# KiCad board chocofly_roundtracks_filledzones.kicad_pcb
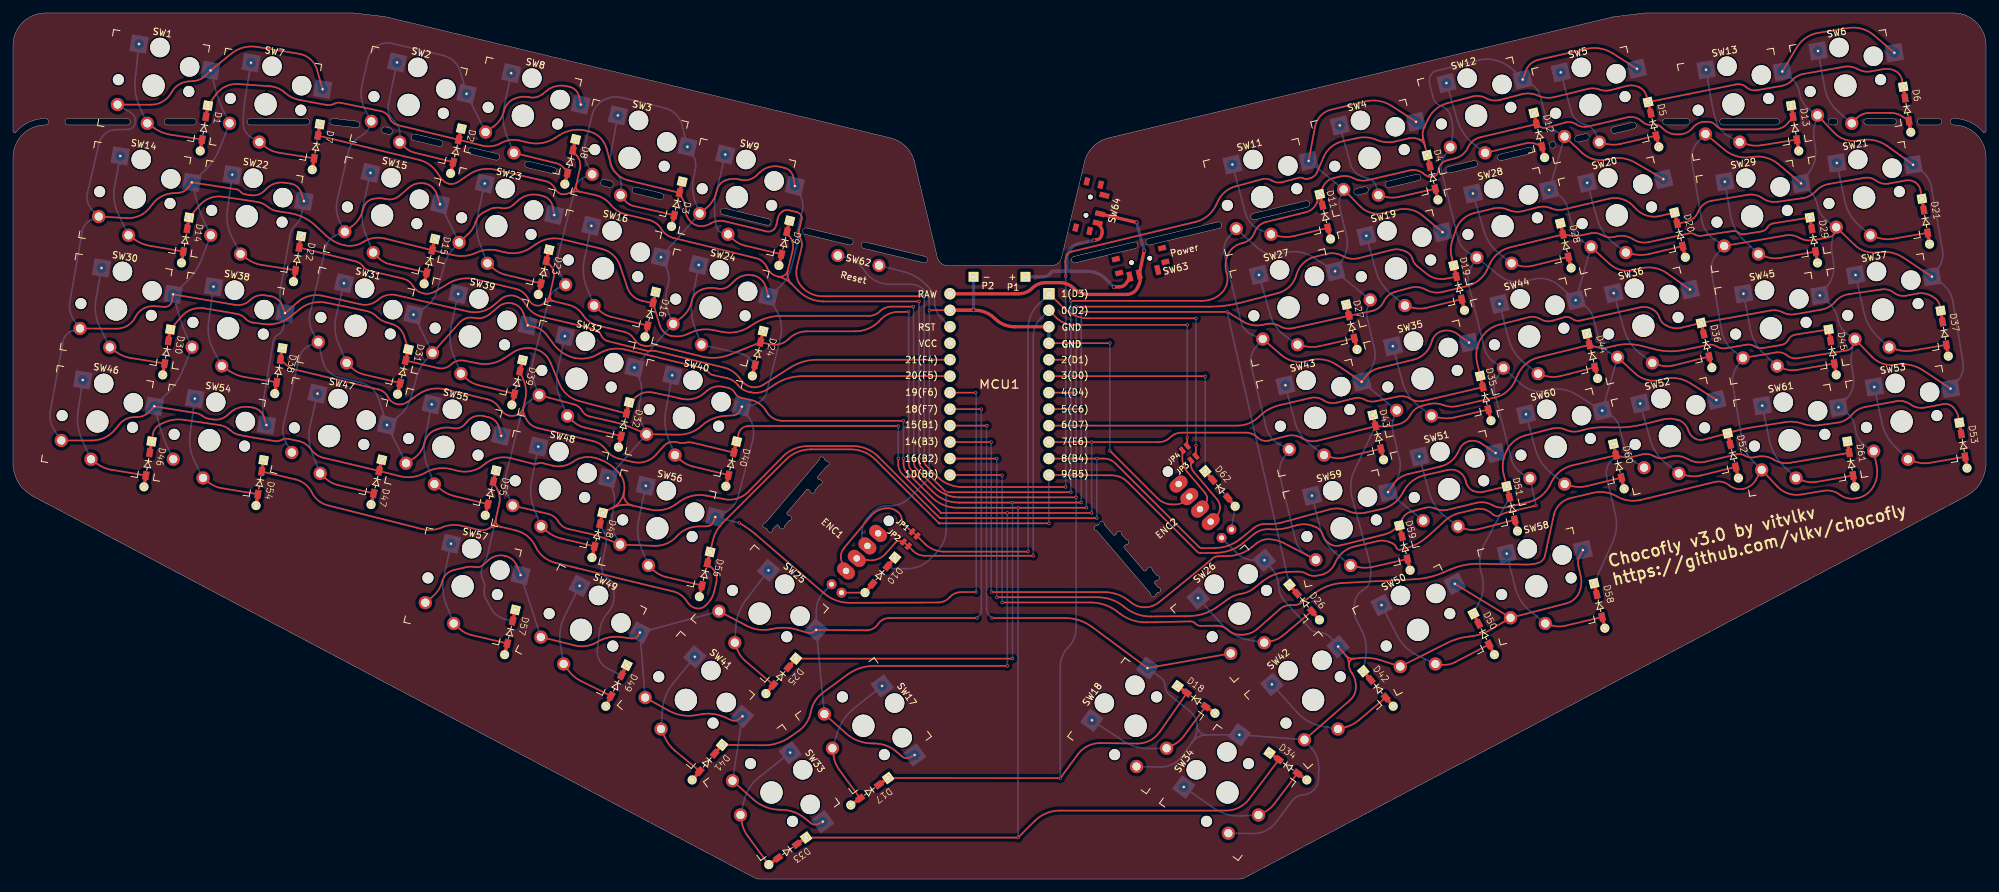
[diagram p0: board, top side]
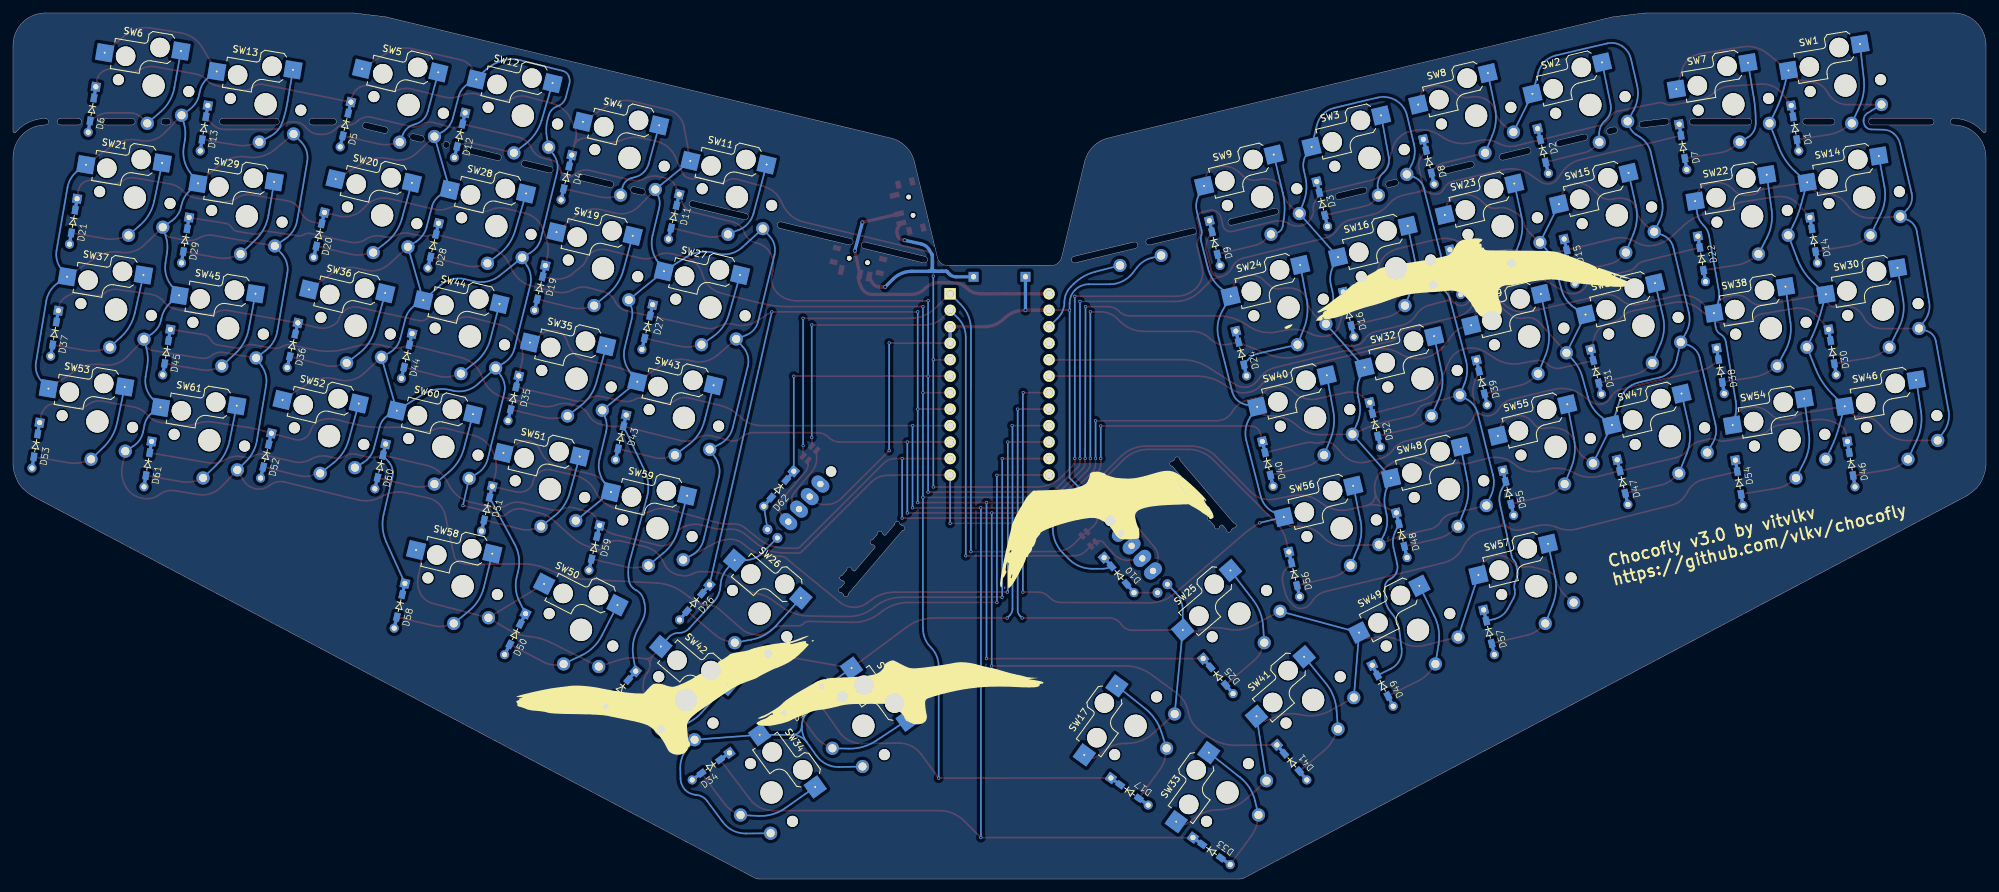
[diagram p1: board, bottom side, seen from below]

Outline 304 x 133.5 mm; copper layers: Top, Bottom. Coordinates in mm from the lower left corner of the outline.
Outline path: 0,128.5 arc(1.46,132.04) 5,133.5 52.46,133.5 57.39,132.92 134.7,114.36 135.13,114.25 arc(137.6,112.89) 138.93,110.4 138.98,110.2 142.43,95.81 arc(142.99,94.93) 143.97,94.57 160.03,94.57 arc(161.01,94.93) 161.57,95.81 165.02,110.2 165.07,110.4 arc(166.4,112.89) 168.87,114.25 169.31,114.36 246.61,132.92 251.54,133.5 299,133.5 arc(302.54,132.04) 304,128.5 ; 0,128.5 0,115.29 arc(0.12,115.08) 0.37,115.07 0.41,115.1 arc(2.47,116.68) 5,117.24 arc(5.5,116.74) 5,116.24 arc(1.47,114.78) 0,111.24 0,63.75 0.12,62.93 0.35,62.16 0.67,61.4 1.02,60.79 1.47,60.25 2.16,59.63 2.93,59.08 114.38,0.12 arc(114.71,0.02) 115.05,0 188.95,0 arc(189.29,0.02) 189.62,0.12 301.07,59.08 301.84,59.63 302.53,60.25 302.98,60.79 303.34,61.4 303.65,62.16 303.88,62.93 304,63.75 304,111.24 arc(302.54,114.78) 299,116.24 arc(298.5,116.74) 299,117.24 arc(301.53,116.68) 303.59,115.1 303.63,115.07 arc(303.88,115.08) 304,115.29 304,128.5 ; 122.03,99.39 arc(121.66,99.99) 122.26,100.36 129.07,98.72 arc(129.44,98.12) 128.83,97.75 ; 128.83,97.75 122.03,99.39 ; 271.68,116.24 263.47,116.24 arc(262.97,116.74) 263.47,117.24 271.68,117.24 arc(272.18,116.74) 271.68,116.24 ; 8.5,117.24 17.59,117.24 arc(18.09,116.74) 17.59,116.24 8.5,116.24 arc(8,116.74) 8.5,117.24 ; 23.79,117.24 27.74,117.24 arc(28.24,116.74) 27.74,116.24 23.79,116.24 arc(23.29,116.74) 23.79,117.24 ; 36.57,117.24 45.19,117.24 arc(45.69,116.74) 45.19,116.24 36.57,116.24 arc(36.07,116.74) 36.57,117.24 ; 49.32,117.24 49.44,117.23 53.01,116.81 arc(53.45,116.26) 52.9,115.82 49.32,116.24 arc(48.82,116.74) 49.32,117.24 ; 57.17,114.96 arc(56.8,115.56) 57.4,115.93 58.08,115.77 arc(58.45,115.16) 57.85,114.79 57.17,114.96 ; 61.74,113.86 arc(61.37,114.46) 61.97,114.83 65.86,113.9 arc(66.23,113.3) 65.63,112.93 61.74,113.86 ; 70.49,111.76 arc(70.12,112.36) 70.72,112.73 74.61,111.8 arc(74.98,111.19) 74.38,110.82 70.49,111.76 ; 79.24,109.66 arc(78.87,110.26) 79.48,110.63 83.36,109.7 arc(83.73,109.09) 83.13,108.72 79.24,109.66 ; 90.91,106.86 arc(90.54,107.46) 91.14,107.83 92.12,107.6 arc(92.49,106.99) 91.88,106.62 90.91,106.86 ; 95.77,105.69 arc(95.4,106.29) 96.01,106.66 99.89,105.73 arc(100.26,105.12) 99.66,104.75 95.77,105.69 ; 109.38,102.42 arc(109.02,103.02) 109.62,103.39 116.43,101.76 arc(116.79,101.16) 116.19,100.79 109.39,102.42 ; 131.07,97.21 arc(130.7,97.82) 131.3,98.19 140.54,95.97 arc(140.91,95.37) 140.31,95 131.07,97.21 ; 163.7,95 arc(163.09,95.37) 163.46,95.97 172.7,98.19 arc(173.3,97.82) 172.93,97.21 163.7,95 ; 174.94,98.72 185.63,101.29 arc(186.24,100.92) 185.87,100.32 175.17,97.75 arc(174.57,98.12) 174.94,98.72 ; 191.1,102.6 199.19,104.55 arc(199.79,104.18) 199.42,103.57 191.33,101.63 arc(190.73,102) 191.1,102.6 ; 206.96,106.41 208.23,106.72 arc(208.83,106.35) 208.46,105.74 207.2,105.44 arc(206.59,105.81) 206.96,106.41 ; 212.06,106.61 arc(211.46,106.98) 211.83,107.58 216.3,108.66 arc(216.9,108.29) 216.53,107.68 212.06,106.61 ; 221.39,108.85 arc(220.79,109.22) 221.16,109.82 225.05,110.76 arc(225.65,110.39) 225.28,109.78 221.39,108.85 ; 229.37,110.76 233.74,111.81 arc(234.11,112.42) 233.51,112.79 229.13,111.74 arc(228.76,111.13) 229.37,110.76 ; 237.11,113.65 arc(237.71,113.28) 237.34,112.68 arc(236.74,113.05) 237.11,113.65 ; 241,114.58 242.26,114.89 arc(242.86,114.52) 242.49,113.92 241.23,113.61 arc(240.63,113.98) 241,114.58 ; 246.83,114.96 arc(246.23,115.33) 246.6,115.93 249.52,116.63 arc(250.12,116.26) 249.75,115.66 246.83,114.96 ; 254.68,117.24 257.89,117.24 arc(258.39,116.74) 257.89,116.24 254.68,116.24 arc(254.18,116.74) 254.68,117.24 ; 280.18,116.24 arc(279.68,116.74) 280.18,117.24 280.68,117.24 arc(281.18,116.74) 280.68,116.24 280.18,116.24 ; 285.68,117.24 289.68,117.24 arc(290.18,116.74) 289.68,116.24 285.68,116.24 arc(285.18,116.74) 285.68,117.24 ; 293.93,116.24 arc(293.43,116.74) 293.93,117.24 296.68,117.24 arc(297.18,116.74) 296.68,116.24 293.93,116.24

## Placement (name value [footprint] x y rotation side)
D1  1N4148  [diode_TH_SMD]  28.85 112.24 260.5 top
D2  1N4148  [diode_TH_SMD]  67.43 108.77 256.5 top
D3  1N4148  [diode_TH_SMD]  101.46 100.6 256.5 top
D4  1N4148  [diode_TH_SMD]  219.56 104.69 283.5 top
D5  1N4148  [diode_TH_SMD]  253.59 112.86 283.5 top
D6  1N4148  [diode_TH_SMD]  292.41 115.12 279.5 top
D7  1N4148  [diode_TH_SMD]  46.11 109.35 260.5 top
D8  1N4148  [diode_TH_SMD]  85.03 107.12 256.5 top
D9  1N4148  [diode_TH_SMD]  118.01 94.57 256.5 top
D10  1N4148  [diode_TH_SMD]  131.28 44.15 229.5 top
D11  1N4148  [diode_TH_SMD]  203.01 98.66 283.5 top
D12  1N4148  [diode_TH_SMD]  235.99 111.2 283.5 top
D13  1N4148  [diode_TH_SMD]  275.15 112.24 279.5 top
D14  1N4148  [diode_TH_SMD]  25.96 94.98 260.5 top
D15  1N4148  [diode_TH_SMD]  63.34 91.76 256.5 top
D16  1N4148  [diode_TH_SMD]  97.38 83.59 256.5 top
D17  1N4148  [diode_TH_SMD]  129.09 11.4 216 top
D18  1N4148  [diode_TH_SMD]  185.2 25.56 324 top
D19  1N4148  [diode_TH_SMD]  223.64 87.67 283.5 top
D20  1N4148  [diode_TH_SMD]  257.68 95.84 283.5 top
D21  1N4148  [diode_TH_SMD]  295.3 97.86 279.5 top
D22  1N4148  [diode_TH_SMD]  43.22 92.09 260.5 top
D23  1N4148  [diode_TH_SMD]  80.94 90.1 256.5 top
D24  1N4148  [diode_TH_SMD]  113.93 77.56 256.5 top
D25  1N4148  [diode_TH_SMD]  116.01 28.58 229.5 top
D26  1N4148  [diode_TH_SMD]  201.29 39.95 310.5 top
D27  1N4148  [diode_TH_SMD]  207.09 81.64 283.5 top
D28  1N4148  [diode_TH_SMD]  240.08 94.19 283.5 top
D29  1N4148  [diode_TH_SMD]  278.04 94.98 279.5 top
D30  1N4148  [diode_TH_SMD]  23.07 77.72 260.5 top
D31  1N4148  [diode_TH_SMD]  59.26 74.74 256.5 top
D32  1N4148  [diode_TH_SMD]  93.29 66.57 256.5 top
D33  1N4148  [diode_TH_SMD]  116.45 2.22 216 top
D34  1N4148  [diode_TH_SMD]  199.35 15.27 324 top
D35  1N4148  [diode_TH_SMD]  227.73 70.65 283.5 top
D36  1N4148  [diode_TH_SMD]  261.76 78.82 283.5 top
D37  1N4148  [diode_TH_SMD]  298.19 80.6 279.5 top
D38  1N4148  [diode_TH_SMD]  40.33 74.83 260.5 top
D39  1N4148  [diode_TH_SMD]  76.86 73.08 256.5 top
D40  1N4148  [diode_TH_SMD]  109.84 60.54 256.5 top
D41  1N4148  [diode_TH_SMD]  104.65 15.27 229.5 top
D42  1N4148  [diode_TH_SMD]  212.66 26.64 310.5 top
D43  1N4148  [diode_TH_SMD]  211.18 64.62 283.5 top
D44  1N4148  [diode_TH_SMD]  244.16 77.17 283.5 top
D45  1N4148  [diode_TH_SMD]  280.93 77.72 279.5 top
D46  1N4148  [diode_TH_SMD]  20.19 60.46 260.5 top
D47  1N4148  [diode_TH_SMD]  55.17 57.72 256.5 top
D48  1N4148  [diode_TH_SMD]  89.21 49.55 256.5 top
D49  1N4148  [diode_TH_SMD]  91.34 26.64 243 top
D50  1N4148  [diode_TH_SMD]  228.25 34.58 297 top
D51  1N4148  [diode_TH_SMD]  231.81 53.64 283.5 top
D52  1N4148  [diode_TH_SMD]  265.85 61.81 283.5 top
D53  1N4148  [diode_TH_SMD]  301.08 63.34 279.5 top
D54  1N4148  [diode_TH_SMD]  37.45 57.57 260.5 top
D55  1N4148  [diode_TH_SMD]  72.77 56.07 256.5 top
D56  1N4148  [diode_TH_SMD]  105.75 43.52 256.5 top
D57  1N4148  [diode_TH_SMD]  75.75 34.58 256.5 top
D58  1N4148  [diode_TH_SMD]  245.27 38.67 283.5 top
D59  1N4148  [diode_TH_SMD]  215.26 47.61 283.5 top
D60  1N4148  [diode_TH_SMD]  248.25 60.15 283.5 top
D61  1N4148  [diode_TH_SMD]  283.82 60.46 279.5 top
D62  1N4148  [diode_TH_SMD]  188.31 57.46 310.5 top
ENC1  -  [EVQWGD001]  126.25 54.03 139.5 top
ENC2  -  [EVQWGD001]  177.76 54.03 220.5 top
JP1  Jumper_NC_Small  [avalanche_Jumper_NC]  138.91 53.22 319.5 top
JP2  Jumper_NC_Small  [avalanche_Jumper_NC]  137.57 51.64 319.5 top
JP3  Jumper_NC_Small  [avalanche_Jumper]  181.88 64.86 40.5 top
JP4  Jumper_NC_Small  [avalanche_Jumper]  180.55 66.41 40.5 top
MCU1  -  [ProMicro]  152 76.23 0 top
P1  battery+  [1pin_conn]  156 92.83 0 top
P2  battery-  [1pin_conn]  148 92.83 0 top
SW1  SW_Push  [Kailh_socket_PG1350_chosfox_17_5mm]  21.67 122.31 350.5 top
SW2  SW_Push  [Kailh_socket_PG1350_chosfox_17_5mm]  60.96 119.32 346.5 top
SW3  SW_Push  [Kailh_socket_PG1350_chosfox_17_5mm]  95 111.15 346.5 top
SW4  SW_Push  [Kailh_socket_PG1350_chosfox_17_5mm]  209.01 111.15 13.5 top
SW5  SW_Push  [Kailh_socket_PG1350_chosfox_17_5mm]  243.04 119.32 13.5 top
SW6  SW_Push  [Kailh_socket_PG1350_chosfox_17_5mm]  282.34 122.31 9.5 top
SW7  SW_Push  [Kailh_socket_PG1350_chosfox_17_5mm]  38.93 119.42 350.5 top
SW8  SW_Push  [Kailh_socket_PG1350_chosfox_17_5mm]  78.56 117.67 346.5 top
SW9  SW_Push  [Kailh_socket_PG1350_chosfox_17_5mm]  111.55 105.12 346.5 top
SW11  SW_Push  [Kailh_socket_PG1350_chosfox_17_5mm]  192.46 105.12 13.5 top
SW12  SW_Push  [Kailh_socket_PG1350_chosfox_17_5mm]  225.44 117.67 13.5 top
SW13  SW_Push  [Kailh_socket_PG1350_chosfox_17_5mm]  265.08 119.42 9.5 top
SW14  SW_Push  [Kailh_socket_PG1350_chosfox_17_5mm]  18.78 105.05 350.5 top
SW15  SW_Push  [Kailh_socket_PG1350_chosfox_17_5mm]  56.88 102.31 346.5 top
SW16  SW_Push  [Kailh_socket_PG1350_chosfox_17_5mm]  90.91 94.14 346.5 top
SW17  SW_Push  [Kailh_socket_PG1350_chosfox_17_5mm]  131.03 23.62 306 top
SW18  SW_Push  [Kailh_socket_PG1350_chosfox_17_5mm]  172.97 23.62 54 top
SW19  SW_Push  [Kailh_socket_PG1350_chosfox_17_5mm]  213.09 94.14 13.5 top
SW20  SW_Push  [Kailh_socket_PG1350_chosfox_17_5mm]  247.12 102.31 13.5 top
SW21  SW_Push  [Kailh_socket_PG1350_chosfox_17_5mm]  285.23 105.05 9.5 top
SW22  SW_Push  [Kailh_socket_PG1350_chosfox_17_5mm]  36.04 102.16 350.5 top
SW23  SW_Push  [Kailh_socket_PG1350_chosfox_17_5mm]  74.48 100.65 346.5 top
SW24  SW_Push  [Kailh_socket_PG1350_chosfox_17_5mm]  107.46 88.11 346.5 top
SW25  SW_Push  [Kailh_socket_PG1350_chosfox_17_5mm]  115.04 40.92 319.5 top
SW26  SW_Push  [Kailh_socket_PG1350_chosfox_17_5mm]  188.96 40.92 40.5 top
SW27  SW_Push  [Kailh_socket_PG1350_chosfox_17_5mm]  196.54 88.11 13.5 top
SW28  SW_Push  [Kailh_socket_PG1350_chosfox_17_5mm]  229.52 100.65 13.5 top
SW29  SW_Push  [Kailh_socket_PG1350_chosfox_17_5mm]  267.97 102.16 9.5 top
SW30  SW_Push  [Kailh_socket_PG1350_chosfox_17_5mm]  15.89 87.79 350.5 top
SW31  SW_Push  [Kailh_socket_PG1350_chosfox_17_5mm]  52.79 85.29 346.5 top
SW32  SW_Push  [Kailh_socket_PG1350_chosfox_17_5mm]  86.82 77.12 346.5 top
SW33  SW_Push  [Kailh_socket_PG1350_chosfox_17_5mm]  116.87 13.34 306 top
SW34  SW_Push  [Kailh_socket_PG1350_chosfox_17_5mm]  187.13 13.34 54 top
SW35  SW_Push  [Kailh_socket_PG1350_chosfox_17_5mm]  217.18 77.12 13.5 top
SW36  SW_Push  [Kailh_socket_PG1350_chosfox_17_5mm]  251.21 85.29 13.5 top
SW37  SW_Push  [Kailh_socket_PG1350_chosfox_17_5mm]  288.11 87.79 9.5 top
SW38  SW_Push  [Kailh_socket_PG1350_chosfox_17_5mm]  33.15 84.9 350.5 top
SW39  SW_Push  [Kailh_socket_PG1350_chosfox_17_5mm]  70.39 83.64 346.5 top
SW40  SW_Push  [Kailh_socket_PG1350_chosfox_17_5mm]  103.37 71.09 346.5 top
SW41  SW_Push  [Kailh_socket_PG1350_chosfox_17_5mm]  103.68 27.61 319.5 top
SW42  SW_Push  [Kailh_socket_PG1350_chosfox_17_5mm]  200.32 27.61 40.5 top
SW43  SW_Push  [Kailh_socket_PG1350_chosfox_17_5mm]  200.63 71.09 13.5 top
SW44  SW_Push  [Kailh_socket_PG1350_chosfox_17_5mm]  233.61 83.64 13.5 top
SW45  SW_Push  [Kailh_socket_PG1350_chosfox_17_5mm]  270.85 84.9 9.5 top
SW46  SW_Push  [Kailh_socket_PG1350_chosfox_17_5mm]  13 70.53 350.5 top
SW47  SW_Push  [Kailh_socket_PG1350_chosfox_17_5mm]  48.71 68.27 346.5 top
SW48  SW_Push  [Kailh_socket_PG1350_chosfox_17_5mm]  82.74 60.1 346.5 top
SW49  SW_Push  [Kailh_socket_PG1350_chosfox_17_5mm]  87.52 38.41 333 top
SW50  SW_Push  [Kailh_socket_PG1350_chosfox_17_5mm]  216.48 38.41 27 top
SW51  SW_Push  [Kailh_socket_PG1350_chosfox_17_5mm]  221.26 60.1 13.5 top
SW52  SW_Push  [Kailh_socket_PG1350_chosfox_17_5mm]  255.3 68.27 13.5 top
SW53  SW_Push  [Kailh_socket_PG1350_chosfox_17_5mm]  291 70.53 9.5 top
SW54  SW_Push  [Kailh_socket_PG1350_chosfox_17_5mm]  30.26 67.64 350.5 top
SW55  SW_Push  [Kailh_socket_PG1350_chosfox_17_5mm]  66.31 66.62 346.5 top
SW56  SW_Push  [Kailh_socket_PG1350_chosfox_17_5mm]  99.29 54.07 346.5 top
SW57  SW_Push  [Kailh_socket_PG1350_chosfox_17_5mm]  69.28 45.14 346.5 top
SW58  SW_Push  [Kailh_socket_PG1350_chosfox_17_5mm]  234.72 45.14 13.5 top
SW59  SW_Push  [Kailh_socket_PG1350_chosfox_17_5mm]  204.71 54.07 13.5 top
SW60  SW_Push  [Kailh_socket_PG1350_chosfox_17_5mm]  237.7 66.62 13.5 top
SW61  SW_Push  [Kailh_socket_PG1350_chosfox_17_5mm]  273.74 67.64 9.5 top
SW62  Reset  [Switch_Reset_THT]  130.25 95.35 346.5 top
SW63  Power  [Switch_MSK-12C01-07]  173.75 95.35 193.5 top
SW64  Power  [Switch_MSK-12C01-07]  165.66 103.72 256.5 top

## Library data of the parts
D1-D62 = -: Datasheet: https://assets.nexperia.com/documents/data-sheet/1N4148_1N4448.pdf; ki_fp_filters: D*DO?35*
JP1 JP2 = -: ki_fp_filters: SolderJumper*Bridged*
JP3 JP4 = -: ki_fp_filters: SolderJumper*Open*
P1 P2 = -: ki_fp_filters: Connector*:*_??x*mm* Connector*:*1x??x*mm* Pin?Header?Straight?1X* Pin?Header?Angled?1X* Socket?Strip?Straight?1X* Socket?Strip?Angled?1X*
SW63 SW64 = -: ki_fp_filters: SW*DPDT*

## Footprints (pads in the part's own frame, mm; a bottom-side part is the same pattern mirrored in y, then rotated)
1pin_conn
  rect 1.524x1.524 hole 0.813: 1(0,0)
avalanche_Jumper
  rect 0.635x1.143 smd: 1(-0.5,0) 2(0.5,0)
avalanche_Jumper_NC
  rect 0.635x1.143 smd: 1(-0.5,0) 2(0.5,0)
  rect 1.143x0.25 smd: 2(0,0)
diode_TH_SMD
  rect 1.397x1.397 hole 0.813: 1(-7.1,0)
  rect 0.8x0.5 smd: 1(-6.25,0) 2(-0.85,0)
  rect 0.8x0.5 smd far side: 1(-6.25,0) 2(-0.85,0)
  rect 1.3x0.95 smd: 1(-5.325,0) 2(-1.775,0)
  rect 1.3x0.95 smd far side: 1(-5.325,0) 2(-1.775,0)
  round 1.397 hole 0.813: 2(0,0)
EVQWGD001
  round 1.6 hole 1.6 unplated: (-5.847,-6.553)
  oval 3x2 hole 1: A(-5.847,3.607) B(-5.847,1.067) C(-5.847,-1.474) NC(-5.847,-4.013)
  round 1.524 hole 0.762: S1(-7.497,6.607)
  oval 1.524x1.524 hole 0.762: S2(-5.497,6.607)
Kailh_socket_PG1350_chosfox_17_5mm
  round 1.702 hole 1.702 unplated: (-5.5,0) (5.5,0)
  round 3 hole 3 unplated: (0,5.95) (5,3.75)
  round 3.429 hole 3.429 unplated: (0,0)
  round 0.5 hole 0.3: 1(-3.275,5.95) 2(8.275,3.75)
  rect 2.6x2.6 smd far side: 1(-3.275,5.95) 2(8.275,3.75)
  round 2.032 hole 1.27: 1(0,-5.9) 2(-5,-3.8)
ProMicro
  rect 1.753x1.753 hole 1.092: 1(7.608,13.982)
  round 1.753 hole 1.092: 2(7.608,11.442) 3(7.608,8.902) 4(7.608,6.362) 5(7.608,3.822) 6(7.608,1.282) 7(7.608,-1.258) 8(7.608,-3.798) 9(7.608,-6.338) 10(7.608,-8.878) 11(7.608,-11.418) 12(7.608,-13.958) 13(-7.632,-13.958) 14(-7.632,-11.418) 15(-7.632,-8.878) 16(-7.632,-6.338) 17(-7.632,-3.798) 18(-7.632,-1.258) 19(-7.632,1.282) 20(-7.632,3.822) 21(-7.632,6.362) 22(-7.632,8.902) 23(-7.632,11.442) 24(-7.632,13.982)
Switch_MSK-12C01-07
  round 0.72 hole 0.72 unplated: (-1.45,0) (1.45,0)
  rect 0.8x1.5 smd: 1(-2.22,2.04) 2(0.72,2.04) 3(2.2,2.04)
  rect 1.2x0.8 smd: 4(-3.66,1.11) 4(-3.66,-1.09) 4(3.66,-1.09) 4(3.66,1.11)
Switch_Reset_THT
  round 2 hole 1.3: 1(3.27,0) 2(-3.25,0)

## Nets
GND: ENC1.C ENC2.C MCU1.3 MCU1.4 MCU1.23 P2.1 SW62.2
col0: MCU1.20 SW1.2 SW7.2 SW14.2 SW22.2 SW30.2 SW38.2 SW46.2 SW54.2
col1: MCU1.19 SW2.2 SW8.2 SW15.2 SW23.2 SW31.2 SW39.2 SW47.2 SW55.2
col2: MCU1.18 SW3.2 SW9.2 SW16.2 SW24.2 SW32.2 SW40.2 SW48.2 SW56.2
col3: ENC1.S2 MCU1.17 SW17.2 SW25.2 SW33.2 SW41.2 SW49.2 SW57.2
col4: ENC2.S2 MCU1.16 SW18.2 SW26.2 SW34.2 SW42.2 SW50.2 SW58.2
col5: MCU1.15 SW4.2 SW11.2 SW19.2 SW27.2 SW35.2 SW43.2 SW51.2 SW59.2
col6: MCU1.14 SW5.2 SW12.2 SW20.2 SW28.2 SW36.2 SW44.2 SW52.2 SW60.2
col7: MCU1.13 SW6.2 SW13.2 SW21.2 SW29.2 SW37.2 SW45.2 SW53.2 SW61.2
encA: ENC1.A JP1.1 JP1.2 JP3.2 MCU1.1
encB: ENC1.B JP2.1 JP2.2 JP4.2 MCU1.2
row0: D1.1 D2.1 D3.1 D4.1 D5.1 D6.1 MCU1.5
row1: D7.1 D8.1 D9.1 D10.1 D11.1 D12.1 D13.1 D62.1 MCU1.6
row2: D14.1 D15.1 D16.1 D17.1 D18.1 D19.1 D20.1 D21.1 MCU1.7
row3: D22.1 D23.1 D24.1 D25.1 D26.1 D27.1 D28.1 D29.1 MCU1.8
row4: D30.1 D31.1 D32.1 D33.1 D34.1 D35.1 D36.1 D37.1 MCU1.9
row5: D38.1 D39.1 D40.1 D41.1 D42.1 D43.1 D44.1 D45.1 MCU1.10
row6: D46.1 D47.1 D48.1 D49.1 D50.1 D51.1 D52.1 D53.1 MCU1.11
row7: D54.1 D55.1 D56.1 D57.1 D58.1 D59.1 D60.1 D61.1 MCU1.12
Net-(D1-A): D1.2 SW1.1
Net-(D2-A): D2.2 SW2.1
Net-(D3-A): D3.2 SW3.1
Net-(D4-A): D4.2 SW4.1
Net-(D5-A): D5.2 SW5.1
Net-(D6-A): D6.2 SW6.1
Net-(D7-A): D7.2 SW7.1
Net-(D8-A): D8.2 SW8.1
Net-(D9-A): D9.2 SW9.1
Net-(D10-A): D10.2 ENC1.S1
Net-(D11-A): D11.2 SW11.1
Net-(D12-A): D12.2 SW12.1
Net-(D13-A): D13.2 SW13.1
Net-(D14-A): D14.2 SW14.1
Net-(D15-A): D15.2 SW15.1
Net-(D16-A): D16.2 SW16.1
Net-(D17-A): D17.2 SW17.1
Net-(D18-A): D18.2 SW18.1
Net-(D19-A): D19.2 SW19.1
Net-(D20-A): D20.2 SW20.1
Net-(D21-A): D21.2 SW21.1
Net-(D22-A): D22.2 SW22.1
Net-(D23-A): D23.2 SW23.1
Net-(D24-A): D24.2 SW24.1
Net-(D25-A): D25.2 SW25.1
Net-(D26-A): D26.2 SW26.1
Net-(D27-A): D27.2 SW27.1
Net-(D28-A): D28.2 SW28.1
Net-(D29-A): D29.2 SW29.1
Net-(D30-A): D30.2 SW30.1
Net-(D31-A): D31.2 SW31.1
Net-(D32-A): D32.2 SW32.1
Net-(D33-A): D33.2 SW33.1
Net-(D34-A): D34.2 SW34.1
Net-(D35-A): D35.2 SW35.1
Net-(D36-A): D36.2 SW36.1
Net-(D37-A): D37.2 SW37.1
Net-(D38-A): D38.2 SW38.1
Net-(D39-A): D39.2 SW39.1
Net-(D40-A): D40.2 SW40.1
Net-(D41-A): D41.2 SW41.1
Net-(D42-A): D42.2 SW42.1
Net-(D43-A): D43.2 SW43.1
Net-(D44-A): D44.2 SW44.1
Net-(D45-A): D45.2 SW45.1
Net-(D46-A): D46.2 SW46.1
Net-(D47-A): D47.2 SW47.1
Net-(D48-A): D48.2 SW48.1
Net-(D49-A): D49.2 SW49.1
Net-(D50-A): D50.2 SW50.1
Net-(D51-A): D51.2 SW51.1
Net-(D52-A): D52.2 SW52.1
Net-(D53-A): D53.2 SW53.1
Net-(D54-A): D54.2 SW54.1
Net-(D55-A): D55.2 SW55.1
Net-(D56-A): D56.2 SW56.1
Net-(D57-A): D57.2 SW57.1
Net-(D58-A): D58.2 SW58.1
Net-(D59-A): D59.2 SW59.1
Net-(D60-A): D60.2 SW60.1
Net-(D61-A): D61.2 SW61.1
Net-(D62-A): D62.2 ENC2.S1
Net-(ENC2-PadA): ENC2.A JP3.1
Net-(ENC2-PadB): ENC2.B JP4.1
Net-(MCU1-RAW): MCU1.24 SW63.2 SW64.2
Net-(MCU1-RST): MCU1.22 SW62.1
Net-(P1-Pin_1): P1.1 SW63.3 SW64.3

Pads without a net: ENC1 NC; ENC2 NC; MCU1 21; SW63 1 4; SW64 1 4

## Via types
v1: diameter 0.5, hole 0.3, Top to Bottom, 64 vias
v2: diameter 0.6, hole 0.4, Top to Bottom, 5 vias

## Routing (per net, layer and track width the routed paths; a pad name or vN(x,y) marks a point on that pad's centre or on a via; arc(x,y) is an arc through that point)
GND: length 132.2
  Top w0.25: MCU1.4 169.04,82.59 ; v1(169,66.03) 176.33,58.71 arc(177.4,57.99) 178.66,57.74 179.17,57.74 arc(179.97,57.9) 180.64,58.35 ENC2.C ; v1(141.2,87.67) MCU1.23
  Top w0.5: v2(148,87.67) MCU1.23 148.21,87.67 arc(149.86,87.34) 151.27,86.4 arc(152.68,85.46) 154.34,85.13 MCU1.3
  Bottom w0.25: v1(169,82.63) v1(169,66.03) ; 130.8,52.1 130.8,53.38 arc(131.01,54.59) 131.63,55.65 132.17,56.29 arc(133.48,57.26) 135.07,57.55 arc(136.7,57.81) 138.08,58.71 141.2,61.83 141.2,88.74 arc(140.98,89.86) 140.34,90.82 arc(139.38,91.46) 138.26,91.68 135.02,91.68 arc(133.03,92.15) 131.45,93.45 130.84,94.24 arc(129.81,95.2) 128.52,95.76 SW62.2
  Bottom w0.5: v2(148,87.67) P2.1 ; MCU1.4 MCU1.3
col0: length 422.2
  Top w0.25: SW46.2 12.13,67.6 arc(14.14,68.05) 15.76,69.32 16.36,70.06 arc(17.43,70.91) 18.77,71.22 19.13,71.22 arc(20.16,71.43) 21.02,72.04 SW46.2 28.19,71.82 arc(28.73,71.66) 29.22,71.37 arc(29.71,71.09) 30.26,70.93 30.9,70.84 arc(32.04,70.93) 33.03,71.5 33.39,71.83 arc(34.78,72.63) 36.37,72.76 36.94,72.68 arc(38,72.2) 38.64,71.23 SW54.2 ; SW22.2 44.43,105.75 arc(43.8,106.71) 42.76,107.2 41.87,107.33 arc(40.35,107.21) 39.05,106.4 38.77,106.12 arc(37.77,105.5) 36.61,105.41 35.77,105.54 arc(35.39,105.68) 35.08,105.93 arc(34.77,106.19) 34.39,106.32 SW14.2 27,106.62 arc(26.35,106.03) 25.51,105.78 24.56,105.71 arc(22.86,105.21) 21.52,104.06 21.09,103.51 arc(19.52,102.26) 17.55,101.88 SW14.2 ; SW7.2 46.83,124.77 arc(45.82,126.38) 44.1,127.2 37.6,128.27 arc(35.51,128.17) 33.65,127.23 SW1.2 29.65,123.85 arc(28.78,123.25) 27.74,122.99 27.11,122.95 arc(25.58,122.47) 24.46,121.33 24.33,121.1 arc(23.03,119.82) 21.27,119.36 SW1.2 ; SW30.2 15.97,84.83 arc(17.67,85.31) 18.86,86.63 arc(20.05,87.91) 21.75,88.3 23.33,88.2 arc(24.1,88.43) 24.51,89.13 SW30.2 34.25,88.5 arc(35.48,88.59) 36.54,89.24 arc(37.59,89.89) 38.83,89.98 39.72,89.84 arc(40.78,89.36) 41.46,88.43 SW38.2 43.87,88.94 arc(45.67,89.88) 47.7,89.91 53.55,88.59 arc(55,88.61) 56.28,89.3 arc(57.55,89.99) 59,90.02 70.17,87.47 arc(72.21,87.49) 74.03,88.41 75.24,89.43 arc(76.17,89.9) 77.22,89.9 arc(78.2,89.47) 78.94,88.69 79.16,88.34 arc(80.17,87.28) 81.5,86.68 86.17,85.59 arc(87.56,85.25) 88.95,84.89 89.58,84.72 arc(90.21,84.38) 90.63,83.8 arc(91.04,83.23) 91.67,82.9 97.67,81.43 arc(97.96,81.39) 98.25,81.43 arc(98.54,81.46) 98.83,81.43 109.51,78.85 arc(110.86,78.26) 111.94,77.25 112.29,76.8 arc(112.97,76.17) 113.83,75.84 arc(114.75,75.84) 115.6,76.18 119.72,78.82 arc(121.74,79.74) 123.95,80.05 MCU1.20
  Bottom w0.25: SW1.2 31.18,121.81 arc(31.75,119.98) 32.51,118.22 SW7.2 31.92,112.76 arc(30.86,110.76) 29.38,109.05 SW14.2 28.48,104.01 arc(29.02,102.37) 29.71,100.79 SW22.2 29.07,95.59 arc(28.02,93.58) 26.54,91.86 SW30.2 25.58,86.91 arc(26.13,85.23) 26.83,83.59 SW38.2 26.22,78.57 arc(25.16,76.55) 23.72,74.78 SW46.2 22.64,69.73 arc(23.2,68.01) 23.91,66.35 SW54.2 ; SW54.2 38.7,71.18 arc(38.49,72.39) 38.56,73.61 40.09,82.82 arc(40.37,83.49) 40.9,83.97 arc(41.42,84.45) 41.67,85.12 SW38.2 41.45,88.39 arc(41.15,89.57) 41.19,90.78 42.68,99.18 arc(42.99,100.08) 43.58,100.83 arc(44.16,101.59) 44.47,102.48 SW22.2 ; SW1.2 18.28,118.05 arc(18.7,117.62) 18.87,117.04 18.87,116.9 arc(18.8,116.41) 18.56,115.97 arc(18.18,115.66) 17.7,115.55 15.78,115.51 arc(14.9,115.33) 14.15,114.86 arc(13.57,114.16) 13.24,113.32 11.46,105.73 arc(11.49,104.37) 12.17,103.2 SW14.2 12.05,101.6 arc(11.13,100.88) 10.66,99.82 8.76,88.95 arc(8.8,87.48) 9.41,86.14 SW30.2 9.14,84.5 arc(8.21,83.9) 7.73,82.9 5.77,72.19 arc(5.8,70.55) 6.45,69.04 SW46.2
col1: length 327.5
  Top w0.25: SW39.2 68.83,85.79 arc(69.84,86.45) 71.05,86.5 arc(72.3,86.5) 73.42,87.06 74.83,88.22 arc(75.86,88.73) 77.01,88.72 arc(78.01,88.19) 78.64,87.24 SW39.2 80.4,85.1 arc(81.38,84.68) 82.16,83.96 83.35,82.38 arc(84.75,81.08) 86.52,80.33 arc(88.41,80.27) 90.18,80.93 90.31,81.01 arc(92.22,81.71) 94.25,81.63 106.35,78.71 arc(106.78,78.52) 107.12,78.19 arc(107.45,77.86) 107.89,77.67 110.04,77.19 arc(110.96,76.81) 111.7,76.14 arc(112.44,75.47) 113.36,75.1 113.72,75.02 arc(115.04,75) 116.27,75.49 117.41,76.25 arc(119.42,77.19) 121.61,77.51 MCU1.19 ; SW15.2 65.3,105.57 arc(64.6,106.65) 63.45,107.22 arc(62.13,107.18) 60.96,106.55 59.57,105.34 arc(58.59,104.82) 57.48,104.81 57.31,104.85 arc(56.31,104.95) 55.31,104.79 arc(54.5,104.3) 54.01,103.49 53.84,102.92 arc(53.24,101.66) 52.28,100.65 SW15.2 ; SW55.2 74.89,69.61 arc(74.31,70.62) 73.28,71.19 72.54,71.36 arc(71.12,71.3) 69.95,70.49 69.66,70.14 arc(68.81,69.55) 67.78,69.5 arc(66.65,69.6) 65.53,69.38 65.22,69.27 arc(64.08,68.53) 63.42,67.34 63.34,67.04 arc(62.75,65.81) 61.76,64.87 SW55.2 ; SW23.2 83.16,103.67 arc(82.63,104.71) 81.63,105.29 81.09,105.42 arc(79.36,105.41) 77.85,104.6 77.07,103.9 arc(76.22,103.45) 75.25,103.43 arc(74.25,103.47) 73.29,103.17 72.51,102.76 arc(71.73,102.12) 71.27,101.23 arc(70.85,100.28) 70.18,99.47 SW23.2 ; SW8.2 74.03,115.99 arc(75.02,116.99) 75.61,118.26 75.65,118.44 arc(76.2,119.5) 77.15,120.23 77.22,120.26 arc(78.34,120.57) 79.51,120.51 arc(80.63,120.53) 81.63,121.02 82.22,121.5 arc(83.66,122.21) 85.27,122.23 85.72,122.13 arc(86.7,121.6) 87.22,120.62 SW8.2
  Bottom w0.25: SW47.2 42.14,67.15 arc(41.63,68.59) 41.7,70.13 44.13,80.38 arc(44.71,81.52) 45.75,82.25 SW31.2 ; SW31.2 46.22,84.22 arc(45.71,85.71) 45.79,87.29 48.19,97.37 arc(48.77,98.51) 49.82,99.26 SW15.2 50.34,101.36 arc(49.86,102.98) 49.95,104.67 51.67,112.05 arc(52.27,113.38) 53.34,114.38 53.94,114.76 arc(54.54,115.3) 54.93,116 SW2.2 54.26,118.59 arc(53.67,120.43) 53.77,122.36 54.7,126.4 arc(55.19,127.51) 56.05,128.37 arc(57.16,128.83) 58.36,128.81 66.27,126.96 arc(67.98,126.03) 68.97,124.36 SW2.2 SW8.2 ; SW31.2 47.7,79.92 arc(48.62,78.24) 50.29,77.31 53.58,76.53 arc(55.32,75.6) 56.38,73.93 SW47.2 ; SW47.2 59.22,71.19 arc(60.55,72.58) 61.35,74.31 62.21,77.44 arc(62.77,78.8) 63.63,80 SW39.2 SW31.2 63.3,88 arc(64.61,89.21) 65.39,90.81 66.48,94.73 arc(66.99,95.99) 67.79,97.1 SW23.2 SW15.2 ; SW47.2 SW55.2
col2: length 403.3
  Top w0.25: SW9.2 106.88,103.48 arc(107.78,104.48) 108.33,105.71 108.48,106.26 arc(108.96,107.13) 109.79,107.7 arc(110.81,107.93) 111.86,107.85 112.16,107.78 arc(113.43,107.81) 114.53,108.43 115.07,108.94 arc(116.55,109.76) 118.25,109.78 118.83,109.64 arc(119.78,109.08) 120.26,108.09 SW9.2 ; v1(111.91,54.9) 112.76,54.36 arc(113.59,53.8) 114.37,53.17 124.94,44.05 arc(126.8,42.96) 128.93,42.58 142.52,42.63 arc(143.51,42.84) 144.33,43.43 arc(145.14,44.02) 146.13,44.23 v1(148.4,44.23) ; SW24.2 115.98,91.27 arc(115.29,92.41) 114.11,93.04 114.01,93.06 arc(112.54,93.02) 111.26,92.29 110.46,91.54 arc(109.57,91.04) 108.55,91.02 arc(107.46,91.13) 106.38,90.94 106.2,90.88 arc(105.19,90.25) 104.62,89.21 104.56,88.95 arc(103.96,87.59) 102.95,86.51 SW24.2 ; SW56.2 107.94,55.08 arc(107.53,54.57) 106.91,54.37 105.64,54.35 arc(103.8,53.94) 102.27,52.83 102.26,52.81 arc(100.72,51.71) 98.87,51.37 SW56.2 91.86,52.24 arc(90.16,52.86) 88.41,53.33 85.66,53.93 arc(84.72,54.35) 84.03,55.11 arc(83.33,55.87) 82.39,56.3 SW48.2 ; SW40.2 112.02,72.17 arc(111.63,71.69) 111.05,71.48 109.68,71.39 arc(107.76,70.93) 106.11,69.86 arc(104.45,68.84) 102.53,68.5 SW40.2 95.98,69.3 arc(94.3,69.96) 92.57,70.45 88.85,71.3 arc(88.16,71.63) 87.67,72.21 arc(87.17,72.8) 86.49,73.15 SW32.2 ; v1(148.34,74.97) MCU1.18
  Bottom w0.25: SW48.2 76.28,59.11 arc(75.85,60.68) 75.97,62.29 78.35,71.84 arc(78.91,73.02) 79.88,73.89 SW32.2 80.36,76.35 arc(79.96,78.13) 80.13,79.94 82.6,89.38 arc(83.12,90.4) 84.04,91.09 SW16.2 84.39,93.13 arc(83.93,94.69) 84.04,96.32 86.63,106.53 arc(87.16,107.53) 88.09,108.18 SW3.2 88.5,110.13 arc(88.04,111.66) 88.14,113.26 89.21,117.71 arc(89.82,119.03) 90.91,120.02 arc(92.29,120.52) 93.75,120.46 100.46,118.85 arc(102.14,117.91) 103.09,116.23 SW3.2 104.67,111.74 arc(105.15,110.57) 105.13,109.3 104.87,108.21 arc(104.72,106.31) 105.11,104.44 SW9.2 SW16.2 100.57,94.47 arc(101.02,93.05) 100.94,91.57 100.72,90.64 arc(100.59,88.91) 101.01,87.23 SW24.2 SW32.2 96.42,77.37 arc(96.83,75.88) 96.74,74.34 96.58,73.57 arc(96.47,71.86) 96.91,70.2 SW40.2 SW48.2 92.29,60.34 arc(92.68,58.83) 92.59,57.29 92.36,56.17 arc(92.3,54.57) 92.78,53.04 SW56.2 ; SW9.2 121.21,105.56 arc(121.67,104.25) 121.59,102.86 120.88,100.03 arc(120.83,99.6) 120.91,99.17 arc(120.99,98.75) 120.94,98.32 119.9,94.21 arc(119.15,92.48) 117.9,91.06 SW24.2 117.68,87.55 arc(118.37,85.53) 118.25,83.4 116.15,75.13 arc(115.37,73.81) 114.01,73.12 SW40.2 113.38,71.18 arc(114.06,69.48) 113.98,67.65 111.75,58.99 arc(111.03,57.55) 109.77,56.55 SW56.2 v1(111.91,54.9) ; v1(148.4,44.23) 148.4,74.87 arc(148.39,74.91) 148.37,74.94 v1(148.34,74.97)